# KiCad board st251_20934.kicad_pcb (continued)
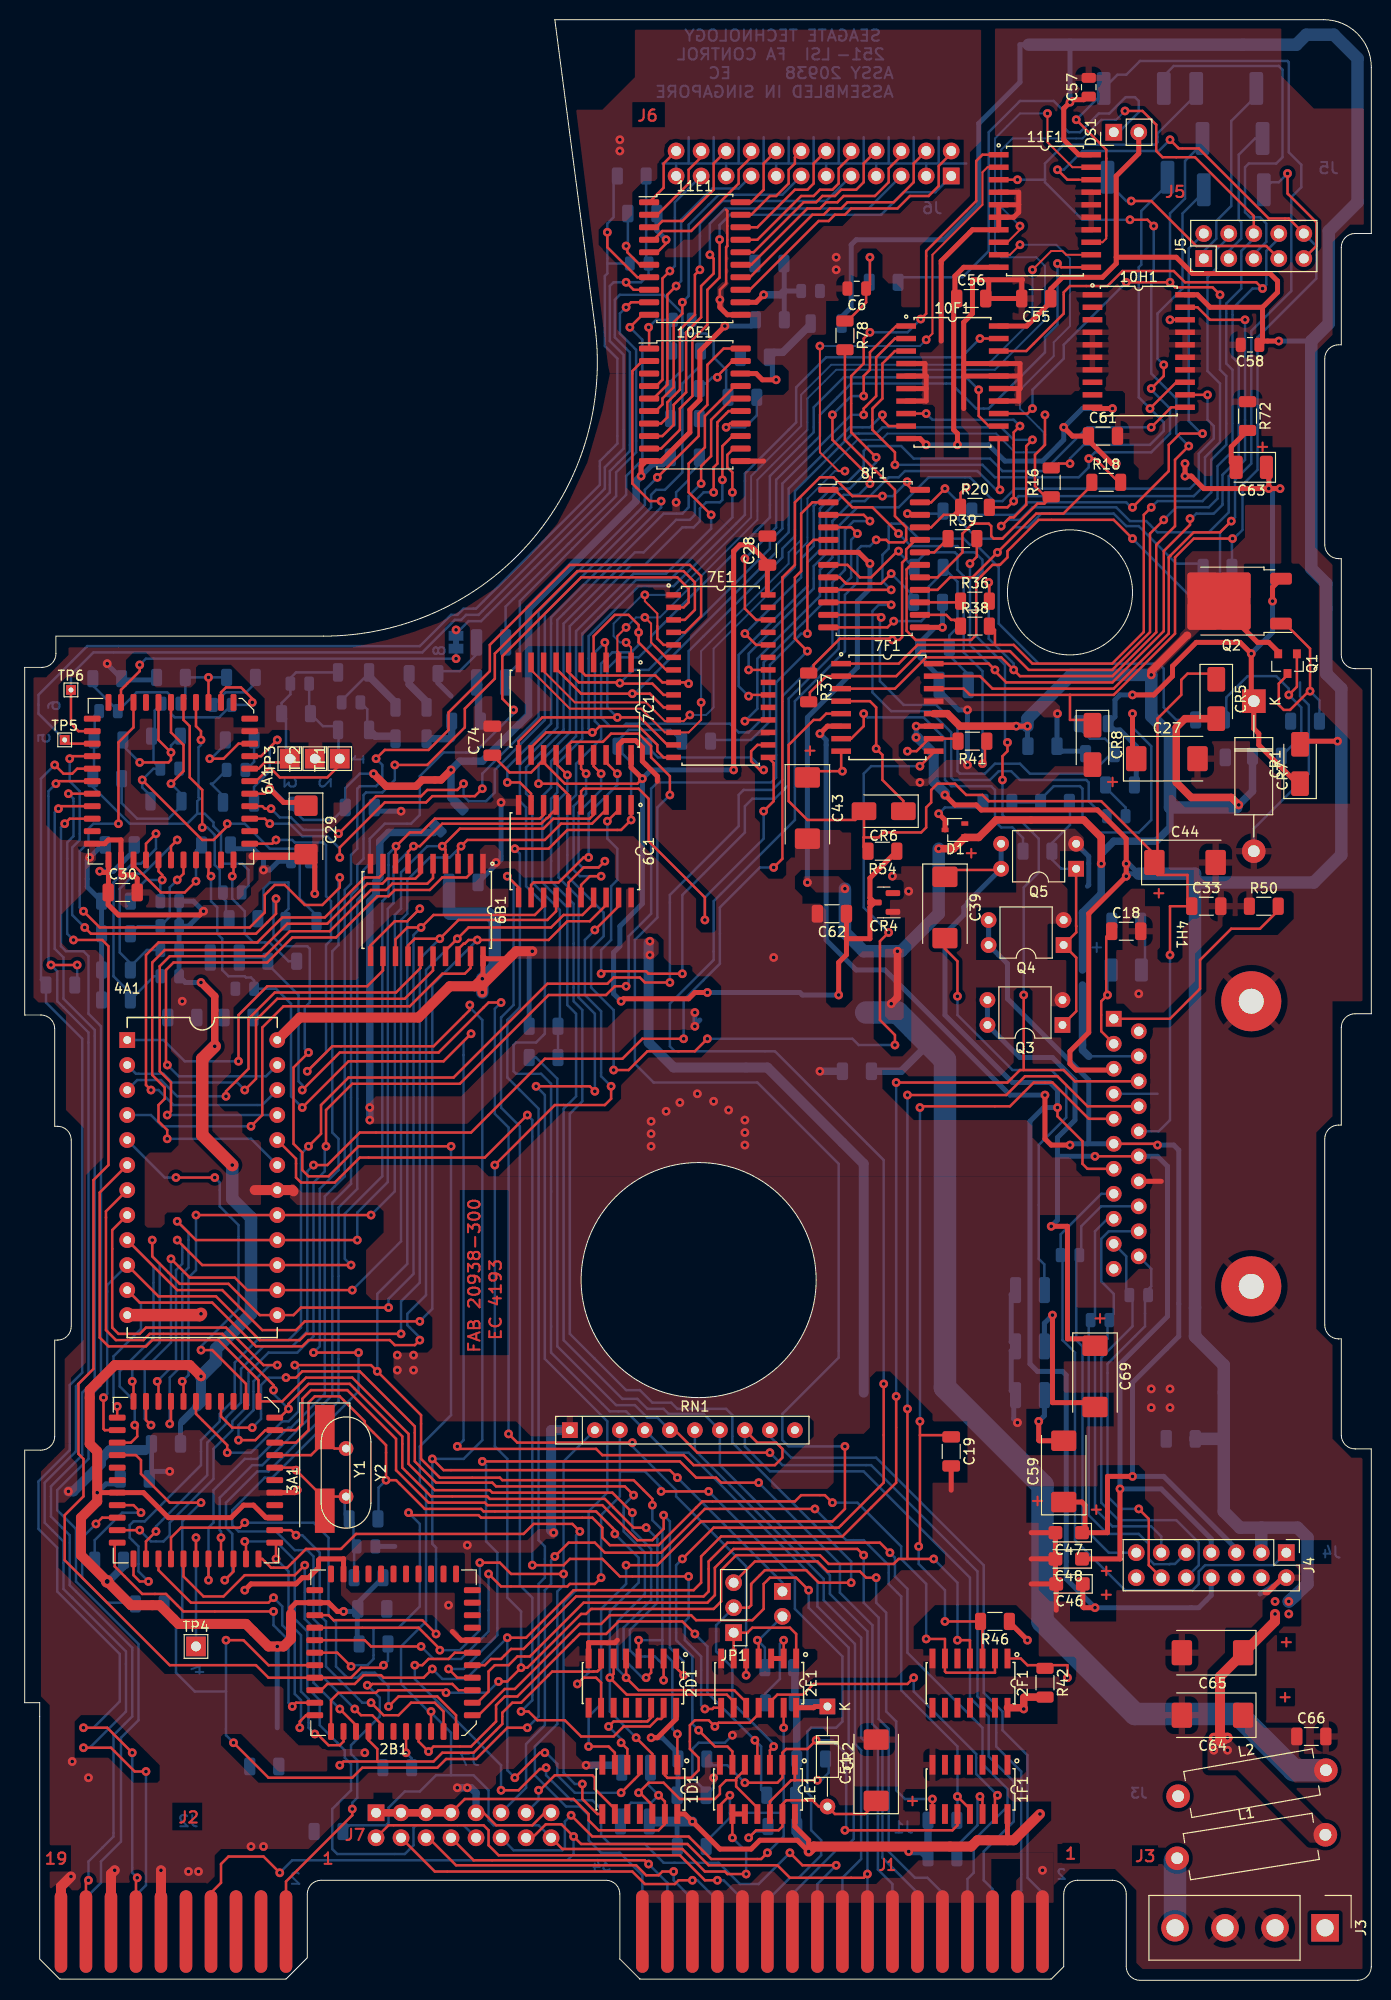
[diagram p0: board, top side]
## Routing (per net, layer and track width the routed paths; a pad name or vN(x,y) marks a point on that pad's centre or on a via; arc(x,y) is an arc through that point) (continued)
~{WRT_FAULT}: length 58.5
  Top w0.254: 1E1.4 74.42,24.13 v1(74.17,24.38) ; v1(68.07,35.18) 66.8,36.45 60.32,36.45 59.05,35.18 56.39,35.18 50.04,28.83 48.77,28.83 47.88,27.94 47.88,26.29 45.34,23.75 41.53,23.75 v1(41.02,23.24) 40,24.26 2B1.3
  Bottom w0.254: R19.1 74.8,19.37 74.8,23.75 v1(74.17,24.38) 69.34,29.21 69.34,33.91 v1(68.07,35.18)
Net-(1D1-Pad12): length 21.3
  Top w0.254: 1E1.5 73.15,21.39 72.26,20.51 72.26,20.32 ; 72.26,20.32 71.25,20.32 70.61,19.69 70.61,18.92 70.1,18.42 66.55,18.42 64.9,20.07 63.37,20.07 v1(62.36,19.05) 62.48,19.05 63.75,17.78 1D1.12 ; 72.26,20.32 72.26,19.69 74.42,17.53 1E1.11
Net-(1E1-Pad1): length 11.5
  Top w0.254: 78.23,20.32 77.85,20.32 75.69,18.16 1E1.12 ; 78.23,20.32 1E1.1 ; 78.23,20.32 v1(80.52,20.32)
  Bottom w0.254: R59.1 81.66,22.16 81.66,21.08 80.9,20.32 v1(80.52,20.32)
Net-(1E1-Pad6): length 193
  Top w0.254: v1(87.25,60.58) 87.25,50.55 82.68,45.97 69.98,45.97 v1(66.8,42.8) ; 1E1.6 71.88,23.24 71.37,23.75 70.1,23.75 v1(68.45,25.4) ; R78.2 83.31,156.46 88.39,151.38 88.39,148.72 89.53,147.57 89.53,146.3 89.28,146.05 87.76,146.05 87.5,146.3 v1(86.49,146.3)
  Bottom w0.254: v1(87.25,60.58) 87.25,83.31 76.2,94.36 66.04,94.36 65.53,94.87 65.53,99.19 69.98,103.63 69.98,109.6 78.23,117.86 78.23,129.92 83.31,135 83.31,140.72 84.58,141.99 84.58,145.29 84.96,145.67 85.85,145.67 v1(86.49,146.3) ; v1(68.45,25.4) 67.82,26.04 67.82,32.89 66.17,34.54 66.17,42.16 v1(66.8,42.8)
Net-(1F1B-C): length 98.5
  Top w0.254: v1(80.26,47.88) 69.09,47.88 64.64,43.43 58.93,43.43 57.91,44.45 55.24,44.45 v1(53.85,43.05) ; 1F1.11 96.01,17.4 v1(94.74,18.67)
  Bottom w0.254: J7.11 50.93,19.56 50.93,24 52.83,25.91 52.83,39.62 53.47,40.26 53.47,42.67 v1(53.85,43.05) ; v1(80.26,47.88) 83.44,44.7 85.22,44.7 87.76,42.16 87.76,40.26 89.03,38.99 89.03,29.46 94.74,23.75 v1(94.74,18.67) 94.74,16.32 R70.1
Net-(1F1B-D): length 9.1
  Top w0.254: v1(97.03,18.67) 97.28,18.42 1F1.12
  Bottom w0.254: v1(97.03,18.67) 96.77,18.42 96.77,15.75 94.68,13.65 R71.1
Net-(1F1B-~{Q}): length 44.1
  Top w0.254: v1(86.49,40.89) 85.47,40.89 84.84,41.53 81.53,41.53 80.52,42.55 74.17,42.55 JP1.3 ; 1F1.8 v1(92.2,18.42)
  Bottom w0.254: v1(86.49,40.89) 86.49,38.35 87.5,37.34 87.5,27.31 88.52,26.29 88.52,19.3 89.41,18.42 v1(92.2,18.42)
Net-(1F1B-~{R}): length 33.6
  Top w0.254: v1(90.3,30.73) 89.66,30.1 80.14,30.1 79.05,29.02 76.45,29.02 75.82,28.38 2E1.12 ; v1(98.81,18.8) 98.55,18.54 1F1.13
  Bottom w0.254: v1(90.3,30.73) 90.3,29.34 96.65,22.99 96.65,20.96 v1(98.81,18.8)
Net-(1F1B-~{S}): length 39.6
  Top w0.254: 1F1.10 94.74,15.75 94.23,15.24 v1(83.31,15.24) ; v1(73.15,20.07) 76.45,20.07 76.96,20.57 76.96,23.11 77.34,23.5 79.5,23.5 v1(80.39,24.38)
  Bottom w0.254: v1(80.39,24.38) 82.04,24.38 83.44,22.99 83.44,15.37 v1(83.31,15.24) ; R58.1 69.92,21.84 71.37,21.84 v1(73.15,20.07)
Net-(2B1-BIAS): length 3.9
  Top w0.254: 2B1.2 38.73,23.12 v1(38.73,23.11)
  Bottom w0.254: v1(38.73,23.11) 39.31,22.54 R45.2
Net-(2E1-Pad2): length 10.2
  Top w0.254: 2E1.2 v1(77.09,34.54)
  Top w0.508: 2E1.3 2E1.2
  Bottom w0.254: R12.1 75.25,29.14 76.71,30.61 76.71,34.16 v1(77.09,34.54)
Net-(2E1-Pad5): length 129.2
  Top w0.254: 2E1.5 v1(73.28,30.99) ; v1(28.19,90.42) 32,94.23 42.04,94.23 47.12,99.31 v1(48.39,99.31) ; v1(61.72,54.61) 50.04,54.61 v1(49.15,55.5)
  Bottom w0.254: C5.1 24.32,103.89 R8.1 24.7,103.19 27.81,100.08 27.81,91.31 28.19,90.93 v1(28.19,90.42) ; v1(48.39,99.31) 47.75,98.68 47.75,88.01 49.15,86.61 v1(49.15,55.5) ; v1(61.72,54.61) 61.72,54.23 66.17,49.78 66.17,49.15 73.28,42.04 v1(73.28,30.99)
Net-(2F1A-~{R}): length 7.9
  Top w0.254: v1(105.92,30.73) 105.92,32 104.27,32 103.95,31.69 R42.1 103.32,32 101.85,32 101.17,32.69 99.82,32.69
Net-(3A1-PB7): length 13.2
  Top w0.254: 3A1.34 v1(17.4,44.96)
  Bottom w0.254: v1(17.4,44.96) TP4.1
Net-(3A1-XTLI): length 10.9
  Top w0.254: Y2.1 31.46,54.01 30.48,54.99 Y1.1 30.48,54.74 29.08,53.34 3A1.3
Net-(3A1-XTLO): length 19.6
  Top w0.254: 3A1.2 27.3,52.07 v1(27.56,51.82) 30.48,48.9 Y1.2 30.48,48.26 31.35,49.13 Y2.2
  Bottom w0.254: Y2.2 32.51,49.01 32.51,47.31 R80.1 33.4,46.42 33.4,44.39 C31.2 33.46,43.81 R82.2
Net-(3A1-~{NMI}): length 10.6
  Top w0.254: 3A1.25 11.05,48.26 v1(11.81,47.5)
  Bottom w0.254: R44.2 7.11,44.7 9.91,47.5 v1(11.81,47.5)
Net-(4A1-~{G}VPP): length 110.1
  Top w0.254: 25.65,85.34 27.56,83.44 27.56,81.53 28.07,81.03 31.5,81.03 34.04,83.57 46.74,83.57 v1(51.05,87.88) ; v1(51.56,42.16) 54.74,42.16 55.37,42.8 58.67,42.8 60.45,41.02 v1(67.44,41.02) ; 2E1.8 69.98,27.69 69.85,27.56 v1(69.09,27.56)
  Bottom w0.254: v1(51.05,87.88) 51.56,87.38 v1(51.56,42.16) ; v1(67.44,41.02) 67.44,36.83 67.06,36.45 67.06,34.54 68.71,32.89 68.71,27.94 v1(69.09,27.56)
Net-(4H1-RC): length 15.2
  Top w0.254: 4H1.3 109.35,96.39 109.35,99.44 v1(109.98,100.08) 109.85,100.2 109.85,106 C18.1
  Bottom w0.254: v1(109.98,100.08) 109.98,102.25 C17.1
Net-(4H1-RREF): length 23.4
  Top w0.254: 127.25,109.09 127.25,108.59 125.48,106.81 122.55,106.81 119.38,103.63 119.38,100.71 116.33,97.66 4H1.1
Net-(4H1-UNK1): length 122.1
  Top w0.254: C44.1 114.74,114.36 109.35,119.76 97.92,119.76 97.28,120.4 95.63,120.4 94.49,121.54 92.71,121.54 92.07,120.9 92.07,119.63 91.57,119.13 91.57,117.09 91.06,116.59 87.25,116.59 86.74,116.08 85.22,116.08 ; C44.1 115.06,113.86 115.06,128.14 117.47,130.56 117.47,132.08 118.11,132.72 120.27,132.72 120.84,132.14 CR5.1 ; C44.1 114.74,112.59 115.06,112.27 118.11,112.27 118.11,109.52 C33.1 116.33,109.09 v1(116.33,104.14) ; R54.2 85.22,115.12 85.22,116.08 ; 85.22,116.08 85.25,116.11 CR6.2 84.36,117.86 79.5,117.86 77.6,119.76 77.6,125.48 80.14,128.02 80.77,128.02 81.41,128.65 7F1.5
  Bottom w0.254: 113.16,86.23 115.19,86.23 116.33,87.38 v1(116.33,104.14)
Net-(6A1A-VCTAP): length 84
  Top w0.254: v1(25.02,119) 24.38,119 24.13,119.25 6A1.43 ; v1(44.58,121.54) 43.94,120.9 40.89,120.9 40.26,120.27 35.69,120.27 v1(31.88,116.46)
  Bottom w0.254: v1(44.58,121.54) 44.58,120.27 45.09,119.76 46.86,119.76 47.75,120.65 47.75,122.94 52.83,128.02 52.83,138.81 63.63,149.61 63.63,150.88 64.13,151.38 65.02,151.38 66.8,153.16 66.8,162.18 68.65,164.02 R9.1 ; v1(25.02,119) 25.91,118.11 27.05,118.11 28.32,116.84 31.5,116.84 v1(31.88,116.46)
Net-(6A1A-WDATA_IN+): length 136.3
  Top w0.254: 6.86,123.06 5.33,123.06 4.83,122.56 3.94,122.56 v1(3.05,123.44) ; v1(10.92,23.11) 8.38,25.65 v1(5.97,25.65) ; v1(11.43,10.41) 11.3,10.29 J2.13
  Bottom w0.254: v1(3.05,123.44) 1.65,122.05 1.65,101.6 R4.2 2.16,99.31 5.84,95.63 5.84,61.72 4.57,60.45 4.57,53.85 1.4,50.67 1.4,45.85 3.3,43.94 3.3,39.5 9.65,33.15 9.65,28.32 6.98,25.65 v1(5.97,25.65) ; v1(10.92,23.11) 10.92,10.92 v1(11.43,10.41)
Net-(6A1A-WDATA_IN-): length 140
  Top w0.254: v1(3.17,121.54) 3.43,121.79 6A1.23 ; v1(2.67,103.12) v1(5.33,103.12) ; v1(12.32,21.21) 11.18,21.21 8.76,23.62 v1(5.97,23.62)
  Bottom w0.254: v1(5.33,103.12) 5.33,101.34 R4.1 ; v1(3.17,121.54) 2.41,120.78 2.41,103.38 v1(2.67,103.12) 3.3,102.49 3.3,99.44 6.48,96.27 6.48,61.59 5.21,60.33 5.21,53.72 2.03,50.55 2.03,46.48 3.94,44.58 3.94,39.75 10.29,33.4 10.29,27.31 6.6,23.62 v1(5.97,23.62) ; J2.14 11.3,8.64 12.32,9.65 v1(12.32,21.21)
Net-(6A1A-WRITE_CUR): length 38
  Top w0.254: 6A1.16 9.78,131.06 11.68,132.97 v1(11.68,133.6)
  Bottom w0.254: 43.82,135.24 v1(43.82,134.24) 12.32,134.24 v1(11.68,133.6)
Net-(6A1A-~{WRT_FAULT}): length 14.5
  Top w0.254: 6A1.39 21.21,112.27 v1(21.08,112.14)
  Bottom w0.254: v1(21.08,112.14) 21.08,109.86 22.35,108.59 22.35,106.3 23.24,105.41 24.89,105.41 26.8,103.51 R8.2
Net-(6A1B-+ON): length 7.3
  Top w0.254: 6A1.4 21.72,125.6 20.19,124.08 v1(18.8,124.08)
  Bottom w0.254: v1(18.8,124.08) 18.92,124.08 20.38,125.54 R25.1
Net-(6A1B--ON): length 10.8
  Top w0.254: 6A1.3 24,124.33 v1(25.65,125.98)
  Bottom w0.254: L8.1 23.29,121.21 24.89,122.81 24.89,125.22 v1(25.65,125.98)
Net-(6A1B-DI+): length 20.8
  Top w0.254: 6A1.1 23.49,121.79 24.77,123.06 25.02,123.06 25.91,122.17 30.73,122.17 32,123.44 TP1.1
  Bottom w0.254: C14.1 28.89,128.78 R24.1 30.29,127.38 31.45,127.38 L6.2 31.88,126.95 31.88,124.21 TP1.1
Net-(6A1B-DI-): length 18.5
  Top w0.254: TP3.1 26.54,123.7 24.38,123.7 23.75,123.06 22.86,123.06
  Bottom w0.254: L7.2 27.56,132.84 26.99,132.27 C14.2 26.99,130.62 26.1,129.73 R24.2 26.54,128.2 26.54,125.22 26.92,124.84 TP3.1
Net-(6A1B-DO+): length 26.8
  Top w0.254: 6A1.8 19.94,130.81 20.45,131.32 21.97,131.32 23.11,130.18 v1(23.11,129.79)
  Bottom w0.254: R26.2 6.92,131.51 9.46,128.97 C22.1 11.36,130.81 14.48,130.81 14.86,130.43 14.86,128.65 15.24,128.27 19.75,128.27 C21.1 22.86,129.54 v1(23.11,129.79)
Net-(6A1B-DO-): length 9.6
  Top w0.254: 6A1.9 v1(18.67,132.33)
  Bottom w0.254: R28.2 v1(18.67,132.33) R27.1 16.32,130.18 C24.1
Net-(6A1C-+C1): length 44.3
  Top w0.254: 6A1.10 17.4,127.38 17.91,126.87 v1(17.91,125.98)
  Bottom w0.254: 17.53,118.49 17.53,119.76 17.78,120.02 17.65,120.14 17.65,125.22 17.91,125.48 v1(17.91,125.98) ; 17.53,118.49 18.29,118.49 19.18,117.6 19.18,117.22 19.94,116.46 19.94,113.67 20.19,113.41 22.1,113.41 22.73,112.78 22.73,111.19 C23.1 ; 17.53,118.49 16.51,117.48 10.67,117.48 6.92,121.22 R87.1 7.05,122.17 R30.1 7.11,126.05 7.11,128.46 C22.2
Net-(6A1C-+C2): length 23.6
  Top w0.254: 6A1.12 14.86,126.75 16.13,125.48 16.13,122.81 v1(14.86,121.54)
  Bottom w0.254: R87.2 9.84,119.57 11.43,117.98 14.6,117.98 15.93,119.3 L10.1 15.93,120.47 v1(14.86,121.54) 15.68,122.36 C67.1
Net-(6A1C--C1): length 24.2
  Top w0.254: v1(18.03,117.09) 18.03,120.9 16.76,122.17 16.76,127.38 16.13,128.02 6A1.11
  Bottom w0.254: R29.1 20.45,108.14 20.45,109.6 20.13,109.92 C23.2 19.81,110.81 19.81,112.78 19.3,113.28 19.3,116.33 18.54,117.09 v1(18.03,117.09)
Net-(6A1C--C2): length 14.7
  Top w0.254: v1(11.68,123.7) 14.6,123.7 14.86,123.95 v1(14.86,124.71) 13.59,125.98 6A1.13
  Bottom w0.254: R31.1 14.86,125.41 v1(14.86,124.71) ; R30.2 9.97,125.41 v1(11.68,123.7)
Net-(6A1C-OA): length 12.4
  Top w0.254: 6A1.31 11.05,113.28 13.84,110.49 16.26,110.49 v1(17.4,111.63)
  Bottom w0.254: R34.1 17.4,114.75 v1(17.4,111.63)
Net-(6A1C-TMG1): length 11.1
  Top w0.254: v1(15.49,111.76) 16.13,112.4 6A1.35
  Bottom w0.254: v1(15.49,111.76) 14.73,111 14.73,108.01 C34.2 11.5,107.06 R51.1
Net-(6A1C-TMG2): length 23
  Top w0.254: 6A1.34 14.86,115.19 v1(15.49,115.82)
  Bottom w0.254: C38.1 12.42,104.65 10.73,102.97 R53.1 10.73,103.31 9.65,104.39 9.65,110.87 11.18,112.4 12.06,112.4 v1(15.49,115.82)
Net-(6A1C-TMG3): length 8.9
  Top w0.254: 6A1.33 13.59,112.65 13.97,112.27 v1(13.97,111.76)
  Bottom w0.254: R32.1 10.73,110.17 12.32,111.76 v1(13.97,111.76) 13.78,111.57 C25.2
Net-(6A1C-TMG4): length 27.3
  Top w0.254: 6A1.32 12.32,115.44 v1(13.34,116.46)
  Bottom w0.254: v1(13.34,116.46) 13.34,114.94 11.81,113.41 10.92,113.41 9.02,111.51 9.02,101.98 10.61,100.39 10.61,99.44 13.15,101.98 C26.2
Net-(6C1-Q4): length 20.4
  Top w0.254: 6C1.12 51.43,111.25 51.69,111.51 54.23,111.51 56.77,114.05 v1(57.28,114.05) ; 59.05,124.46 59.05,123.7 v1(60.2,122.56)
  Bottom w0.254: v1(57.28,114.05) 57.28,118.49 60.2,121.41 v1(60.2,122.56)
Net-(7E1-~{DIS}): length 17.5
  Top w0.254: 7E1.16 74.42,125.48 73.79,124.84 73.79,123.83 74.68,122.94 v1(75.06,122.94)
  Bottom w0.254: R40.2 64.33,124.21 73.79,124.21 v1(75.06,122.94)
Net-(7F1-CT): length 5.9
  Top w0.254: C43.1 80.13,122.81 v1(83.06,122.81) 82.93,122.94 7F1.8
Net-(7F1-DRV): length 31.2
  Top w0.254: 7F1.7 83.95,126.11 85.22,127.38 v1(85.22,128.65)
  Bottom w0.254: v1(85.22,128.65) 85.6,128.27 91.31,128.27 93.47,126.11 93.47,121.92 94.11,121.29 98.17,121.29 98.55,120.9 98.55,117.73 99.19,117.09 100.33,117.09 101.41,116.02 R66.1
Net-(7F1-VC): length 15.5
  Top w0.254: CR6.1 89.25,119.79 87.12,121.92 87.12,124.46 v1(86.49,125.1) 86.49,129.29 85.85,129.92 82.93,129.92
Net-(7F1-VREF): length 5.8
  Top w0.254: R41.2 94.55,126.11 7F1.10 91.86,126.11 90.59,124.84 v1(89.66,124.84)
Net-(8F1-+A): length 50.3
  Top w0.254: v1(112.52,146.43) 110.62,148.34 103,148.34 99.82,145.16 99.82,144.53 99.06,143.76 98.3,143.76 96.65,142.11 96.65,136.65 96.14,136.14 90.5,136.14 89.58,137.07 89.58,143.3 90.04,143.76 8F1.18
  Bottom w0.254: R14.1 119,140.72 118.24,140.72 v1(112.52,146.43)
Net-(8F1-+B): length 29.5
  Top w0.254: v1(103.63,159) 103.63,155.96 102.62,154.94 102.62,151.77 103.7,150.68 R16.1 103.57,149.99 102.87,149.99 99.31,146.43 98.42,146.43 98.17,146.69 98.17,147.7 97.92,147.96 96.27,147.96 95.25,146.94 95.25,145.03 92.71,142.49 8F1.17
Net-(8F1-+C): length 22.2
  Top w0.254: 8F1.16 92.71,141.22 93.98,142.49 96.27,142.49 v1(98.81,145.03) 102.74,148.97 105.5,148.97 108.39,151.86 R18.1
Net-(8F1-+D): length 4.2
  Top w0.254: 8F1.15 94.93,139.95 R36.1
Net-(8F1-+E): length 4.6
  Top w0.254: R38.1 94.42,138.18 94.11,138.18 93.6,138.68 8F1.14
Net-(8F1--A): length 35.8
  Top w0.254: 8F1.23 92.07,150.11 v1(93.47,151.51)
  Bottom w0.254: v1(93.47,151.51) 94.87,150.11 94.87,148.34 96.77,146.43 99.31,146.43 100.46,147.57 101.85,147.57 103.25,148.97 110.62,148.97 111.89,147.7 113.16,147.7 116.97,143.89 119.31,143.89 R15.1
Net-(8F1--B): length 5
  Top w0.254: v1(89.66,148.97) 90.81,148.97 8F1.22
  Bottom w0.254: R17.1 93.03,148.97 v1(89.66,148.97)
Net-(8F1--C): length 7.2
  Top w0.254: v1(95.63,151.64) 95.06,151.06 R20.1 94.3,148.84 93.34,148.84 92.07,147.57 8F1.21
Net-(8F1--D): length 22.3
  Top w0.254: 8F1.20 90.5,146.3 89.53,145.34 89.53,144.4 89.12,143.98 89.12,136.43 88.83,136.14 v1(88.14,136.14) 88.01,136.27 82.8,136.27 80.14,133.6 80.14,133.1 79.82,132.78 R37.1
Net-(8F1--E): length 3.4
  Top w0.254: 8F1.19 92.39,145.03 R39.1
Net-(8F1-COMP): length 50.5
  Top w0.254: 8F1.10 87.76,139.95 v1(88.01,139.7)
  Bottom w0.254: C41.1 109.6,118.24 108.08,119.76 108.08,121.67 107.82,121.92 101.09,121.92 100.2,122.81 98.93,122.81 98.04,121.92 94.36,121.92 94.11,122.17 94.11,126.75 91.95,128.91 88.01,128.91 86.11,130.81 86.11,139.06 86.74,139.7 v1(88.01,139.7)
Net-(8F1-DAC_SET): length 10.9
  Top w0.254: v1(88.01,142.88) 87,141.86 83.44,141.86 82.8,142.49 8F1.8
  Bottom w0.254: v1(88.01,142.88) 90.3,140.59 R57.2
Net-(8F1-DRV): length 58.7
  Top w0.254: 8F1.9 v1(88.01,141.22)
  Bottom w0.254: R79.2 116.97,128.02 115.7,129.29 115.7,133.22 115.19,133.73 103,133.73 98.93,137.8 98.93,143.51 96.65,145.8 96.01,145.8 95.38,146.43 90.81,146.43 89.28,147.96 88.01,147.96 87.76,147.7 87.76,145.42 87.12,144.78 87.12,142.11 v1(88.01,141.22)
Net-(8F1-FB): length 49.5
  Top w0.254: 8F1.11 86.74,138.68 v1(87,138.43)
  Bottom w0.254: v1(87,138.43) 86.87,138.3 86.87,131.95 89.28,129.54 92.58,129.54 94.74,127.38 94.74,122.81 95,122.56 97.54,122.56 98.55,123.57 101.09,123.57 102.11,122.56 108.33,122.56 110.36,124.59 R60.2 110.68,125.16 109.73,126.11 108.2,126.11 107.12,127.19 R52.2
Net-(8F1-NC): length 29
  Top w0.254: v1(79.5,136.78) 79.5,145.67 80.14,146.3 8F1.5
  Bottom w0.254: v1(79.5,136.78) 78.87,136.78 75.69,133.6 75.69,127.89 73.79,125.98 69.79,125.98 JP4.2
Net-(8F1-RING_SET): length 29.7
  Top w0.254: 8F1.12 87.63,137.41 v1(88.26,138.05)
  Bottom w0.254: 95.84,131.57 95.84,132.64 93.92,134.55 R55.1 93.92,136.59 94.74,137.41 94.74,142.05 R56.1 93.28,143 91.82,141.54 91.82,138.81 91.06,138.05 v1(88.26,138.05)
Net-(8F1-VREF): length 40.6
  Top w0.254: R41.1 97.54,125.66 97.54,123.83 v1(97.28,123.57) ; 8F1.7 83.57,143.76 84.84,142.49 85.98,142.49 88.65,145.16 v1(88.76,145.16)
  Bottom w0.254: v1(97.28,123.57) 97.28,132.97 95.38,134.87 95.38,142.62 94.74,143.26 94.74,144.78 94.49,145.03 91.57,145.03 90.49,143.95 89.85,143.95 88.76,145.05 v1(88.76,145.16)
Net-(10E1-5V): length 12.1
  Top w0.508: 10E1.18 74.29,163.19 74.93,162.56 v1(76.33,162.56)
  Bottom w0.508: C1.1 75.95,164.54 75.95,162.94 v1(76.33,162.56)
  Bottom w0.762: L11.1 79.83,168.19 77,165.35 76.15,165.35 C1.1
Net-(10E1-IWR1): length 5.4
  Top w0.254: 10E1.19 71.88,164.47 70.36,162.94 v1(70.36,162.81)
  Bottom w0.254: R2.1 69.03,162.18 69.22,162.18 69.85,162.81 v1(70.36,162.81)
Net-(10E1-IWR2): length 7.1
  Top w0.254: 10E1.14 71.63,158.12 v1(71.25,157.73)
  Bottom w0.254: R1.1 74.36,158.94 73.15,157.73 v1(71.25,157.73)
Net-(10E1-VCTAP): length 8.4
  Top w0.254: 10E1.1 63.42,167.85 v1(63.37,167.89)
  Bottom w0.254: R9.2 65.53,165.67 65.53,168.34 C3.2 64.13,168.66 v1(63.37,167.89)
Net-(10E1-VHS): length 85.8
  Top w0.254: 22.86,117.98 24.38,117.98 v1(24.89,117.48) ; 10E1.20 70.99,165.74 69.34,164.08 69.34,160.02 68.45,159.13 68.45,156.85 v1(64.26,152.65) ; v1(46.48,121.03) 45.72,120.27 41.4,120.27 40.77,119.63 36.58,119.63 32,115.06 v1(32,114.05)
  Bottom w0.254: v1(32,114.05) 32,114.94 30.73,116.21 28.19,116.21 26.92,117.48 v1(24.89,117.48) ; v1(64.26,152.65) 62.99,151.38 62.99,149.86 52.2,139.06 52.2,128.27 46.48,122.56 v1(46.48,121.03)
Net-(10E1-WRT_FAULT_IN): length 179.1
  Top w0.254: 1E1.3 75.69,23.37 v1(76.07,23.75) ; JP1.2 73.53,37.85 73.79,38.1 73.79,40.26 75.18,41.66 79.38,41.66 80.65,40.39 v1(83.95,40.39) ; 10E1.12 72.01,155.58 71.37,154.93 71.37,153.68 71.88,153.16 v1(71.88,151.13)
  Bottom w0.254: v1(71.88,151.13) 71.88,148.59 65.53,142.24 62.1,142.24 56.64,136.78 56.64,126.11 54.1,123.57 54.1,120.65 53.47,120.02 53.47,111.63 55.75,109.35 55.75,99.44 56.64,98.55 56.64,89.28 55.37,88.01 55.37,65.66 61.09,59.94 62.48,59.94 63.75,58.67 65.66,58.67 66.29,58.04 71.25,58.04 71.88,57.4 71.88,54.61 83.95,42.55 v1(83.95,40.39) ; JP1.2 70.23,36.07 70.23,33.4 71.88,31.75 71.88,28.19 76.07,24 v1(76.07,23.75)
Net-(11E1-12V): length 12.4
  Top w0.508: 11E1.12 74.29,170.43 v1(75.06,171.2)
  Bottom w0.508: 77.15,171.58 77.15,171.58 R1B1.2 ; 77.15,171.58 C8.1 ; 77.15,171.58 77.15,174.33 C9.1
  Bottom w0.762: 77.15,171.58 76.77,171.2 v1(75.06,171.2)
Net-(11E1-DI+): length 108.6
  Top w0.254: 11E1.8 61.85,171.7 v1(61.09,172.47) ; 6A1.19 5.46,126.87 4.7,127.64 TP6.1
  Bottom w0.254: R21.1 63.12,174.62 C10.1 63.37,173.23 63.37,173.23 62.61,172.47 v1(61.09,172.47) 59.82,172.47 59.44,172.09 59.44,166.5 60.83,165.1 60.83,155.58 58.93,153.67 58.93,151.51 46.1,138.68 44.83,138.68 44.32,138.18 43.69,138.18 40.39,134.87 6.98,134.87 4.7,132.59 TP6.1
Net-(11E1-DI-): length 117
  Top w0.254: 11E1.7 62.23,172.97 59.18,176.02 v1(59.18,177.55) ; TP5.1 4.45,125.6 6A1.20
  Bottom w0.254: TP5.1 1.4,128.65 1.4,130.56 6.35,135.51 40.13,135.51 43.31,138.68 43.94,138.68 44.58,139.32 45.85,139.32 58.42,151.89 58.42,154.31 60.2,156.08 60.2,164.72 58.93,165.99 58.93,173.1 59.18,173.36 59.18,174.37 ; 59.18,174.37 v1(59.18,177.55) 59.18,178.44 59.82,179.07 59.82,182.88 R21.2 ; 59.18,174.37 C10.2
Net-(11E1-DO+): length 44.8
  Top w0.254: 11E1.10 62.74,169.16 v1(61.47,167.89)
  Bottom w0.254: v1(61.47,167.89) 62.74,166.62 62.74,154.43 61.09,152.78 61.09,150.88 50.29,140.08 50.29,133.86 48.85,132.41 C11.1
Net-(11E1-DO-): length 43
  Top w0.254: v1(61.09,169.93) 61.6,170.43 11E1.9
  Bottom w0.254: v1(61.09,169.93) 60.45,169.29 60.45,167.26 62.1,165.61 62.1,155.19 60.07,153.16 60.07,150.75 48.85,139.52 C12.1
Net-(11E1-GAIN+): length 6.8
  Top w0.254: 11E1.6 62.48,174.24 61.21,175.51 61.21,176.02 v1(61.09,176.15)
  Bottom w0.254: v1(61.09,176.15) 61.26,176.33 C7.1
Net-(11E1-GAIN-): length 5.5
  Top w0.254: v1(65.15,176.78) 65.15,176.4 64.26,175.51 11E1.5
  Bottom w0.508: C7.2 64.21,177.72 v1(65.15,176.78)
Net-(11E1-HD1+): length 25.3
  Top w0.254: J6.4 90.3,184.53 90.3,182.63 88.26,180.59 83.57,180.59 82.93,179.96 81.79,179.96 81.15,179.32 80.01,179.32 73.66,172.97 11E1.14
Net-(11E1-HD1-): length 28.6
  Top w0.254: 11E1.13 73.66,171.7 80.65,178.69 81.66,178.69 82.3,179.32 83.31,179.32 83.95,179.96 88.65,179.96 89.92,181.23 91.82,181.23 92.84,182.25 92.84,184.28 94.11,185.55 J6.2
Net-(11E1-HD2+): length 19.1
  Top w0.254: J6.8 85.22,184.53 85.22,182.63 84.46,181.86 82.93,181.86 82.3,181.23 81.03,181.23 80.39,180.59 79.12,180.59 74.04,175.51 11E1.16
Net-(11E1-HD2-): length 22.2
  Top w0.254: J6.6 89.03,185.29 87.76,184.02 87.76,182.63 86.36,181.23 83.19,181.23 82.55,180.59 81.41,180.59 80.77,179.96 79.5,179.96 73.79,174.24 11E1.15
Net-(11E1-HD3+): length 13.1
  Top w0.254: 11E1.18 74.42,178.05 78.23,181.86 79.5,181.86 80.14,182.5 80.14,184.53 J6.12
Net-(11E1-HD3-): length 16.2
  Top w0.254: 11E1.17 74.42,176.78 78.87,181.23 80.14,181.23 80.77,181.86 82.04,181.86 82.68,182.5 82.68,184.02 83.95,185.29 J6.10
Net-(11E1-HD4+): length 7.3
  Top w0.254: J6.16 75.06,184.53 75.06,181.86 73.79,180.59 11E1.20
Net-(11E1-HD4-): length 10
  Top w0.254: J6.14 78.23,185.17 78.23,184.53 77.6,183.9 77.6,182.5 76.33,181.23 75.69,181.23 73.79,179.32 11E1.19
Net-(11E1-HD6+): length 6.3
  Top w0.254: 11E1.1 64.9,182.07 64.9,184.53 J6.24
Net-(11E1-HD6-): length 9.2
  Top w0.254: 11E1.2 64.26,179.32 67.44,182.5 67.44,183.9 68.71,185.17 J6.22
Net-(C6-Pad1): length 10.2
  Top w0.254: v1(85.85,175.01) 85.85,172.21 85.47,171.83 C6.1 85.47,170.43 83.57,168.53 R78.1
  Bottom w0.254: R11.2 85.85,172.53 v1(85.85,175.01)
Net-(C11-Pad2): length 4.1
  Bottom w0.762: C11.2 46.1,131.62 46.1,128.08 R22.2
Net-(C12-Pad2): length 8.8
  Bottom w0.254: C12.2 45.9,134.67 44.2,132.97 42.23,132.97 R23.2
  Bottom w0.508: R23.2 41.98,131.76 43.31,130.43
Net-(C13-Pad1): length 6.2
  Bottom w0.254: C13.1 34.8,129.09 34.8,127.18 L6.1
  Bottom w0.762: L6.1 35.61,126.37 37.41,126.37 L4.2
Net-(C13-Pad2): length 8.9
  Bottom w0.254: L7.1 34.98,132.77 32.2,129.99 C13.2
  Bottom w0.762: L5.2 37.67,129.76 34.98,132.45 L7.1
Net-(C17-Pad2): length 5.3
  Bottom w0.254: C17.2 113.79,102.98 113.79,107.13 R49.2
Net-(C20-Pad1): length 3.5
  Bottom w0.254: C20.1 22.48,122.94 23.31,123.76 R25.2
Net-(C20-Pad2): length 4.6
  Bottom w0.254: L8.2 20.14,120.32 18.92,121.54 19.12,121.54 C20.2
Net-(C21-Pad2): length 5.8
  Bottom w0.254: 19.12,129.54 20.39,130.81 22.48,130.81 23.43,131.76 R28.1
Net-(C24-Pad2): length 40.6
  Top w0.254: v1(20.57,117.48) 20.57,117.22 19.18,115.82 18.03,115.82 v1(11.94,121.92)
  Bottom w0.254: L10.2 12.78,120.32 11.94,121.16 v1(11.94,121.92) 13.08,123.06 C67.2 13.08,123.76 13.08,126.17 R31.2 13.21,126.68 13.21,128.97 C24.2 ; v1(20.57,117.48) 22.35,117.48 24.89,114.94 27.69,114.94 27.94,114.68 27.94,109.86 29.64,108.15 29.64,107.57
Net-(C27-Pad1): length 35.3
  Top w0.508: C27.1 112.52,124.46 v1(112.52,128.65)
  Bottom w0.254: R69.1 102.87,119.63 104.52,121.29 107.19,121.29 107.44,121.03 107.44,118.11 108.97,116.59 113.16,116.59 114.43,117.86 114.43,125.35 112.52,127.25 v1(112.52,128.65)
Net-(C39-Pad2): length 44.6
  Top w0.254: v1(94.74,99.95) 94.74,103.51 93.47,104.78 C39.2
  Bottom w0.254: R43.2 103.57,72.71 103,73.28 103,84.84 105.79,87.63 105.79,90.93 104.27,92.46 100.33,92.46 94.74,98.04 v1(94.74,99.95)
Net-(C41-Pad2): length 3.9
  Bottom w0.254: C41.2 111.82,119.13 109.66,121.29
Net-(C59-Pad2): length 7.4
  Top w0.508: v1(103,56.77) 103,54.86 103.06,54.8 C59.2
  Bottom w0.508: v1(103,56.77) 103.57,57.34 R47.2
Net-(C63-Pad2): length 4.6
  Top w0.508: C63.2 122.55,154.16 122.55,155.76 R72.2
Net-(C69-Pad2): length 17.2
  Top w0.508: v1(104.39,67.56) 104.39,58.67 108.71,58.67 C69.2
  Bottom w0.508: R48.2 103.57,66.74 v1(104.39,67.56)
Net-(CR2-A): length 19.5
  Top w0.254: v1(73.53,14.48) 74.29,15.24 76.58,15.24 76.96,15.62 76.96,17.89 77.36,18.29 80.01,18.29 80.65,17.65 CR2.2 82.3,16.89 85.34,16.89 86.49,18.03 C51.1
  Bottom w0.254: R64.1 75.44,15.62 74.93,15.11 74.17,15.11 v1(73.53,14.48)
Net-(D1-K): length 6.9
  Top w0.508: D1.3 93.49,117.84 v1(92.84,118.49)
  Bottom w0.254: R69.2 96.84,119.13 93.47,119.13 v1(92.84,118.49)
Net-(DS1-K): length 47.7
  Bottom w0.254: DS1.1 111.12,187.71 113.16,189.74 113.16,190.88 112.78,191.26 111.82,191.26 110.17,189.61 109.09,189.61 107.19,187.71 106.04,187.71 105.54,188.21 105.54,189.87 104.52,190.88 101.09,190.88 97.92,187.71 97.92,175.64 95.25,172.97 89.03,172.97 88.71,172.66 R11.1
Net-(J3-Pin_4): length 7.2
  Bottom w2.286: 116.84,5.33 116.84,12.18 L1.1
Net-(J5-Pin_1): length 19.5
  Bottom w0.254: R68.2 125.09,191.39 122.55,188.85 122.55,180.21 121.03,178.69 121.03,176.89 119.76,175.62 J5.1
Net-(J5-Pin_3): length 14.3
  Bottom w0.254: R68B1.2 124.97,187.07 123.32,185.42 123.32,178.82 123.57,178.56 123.57,176.91 122.3,175.64 J5.3
Net-(J5-Pin_5): length 38.3
  Bottom w0.254: R67.2 115.7,193.42 116.71,194.44 127.38,194.44 127.76,194.06 127.76,185.17 127.13,184.53 124.33,184.53 123.95,184.15 123.95,179.58 124.46,179.07 125.48,179.07 126.11,178.44 126.11,176.57 124.84,175.3 J5.5
Net-(J5-Pin_7): length 21.1
  Top w0.254: J5.7 126.11,176.15 119,176.15 114.43,180.72 v1(112.39,180.72)
  Bottom w0.254: R81.2 109.98,182.63 111.89,180.72 v1(112.39,180.72)
Net-(J5-Pin_9): length 13.5
  Top w0.254: J5.9 131.19,176.15 131.19,178.56 128.27,181.48 v1(128.27,183.52)
  Bottom w0.254: v1(128.27,183.52) 127.38,182.63 126.62,182.63 R67B1.2
Net-(J6-Pin_18): length 15.3
  Top w0.254: J6.18 73.79,185.17 72.52,183.9 72.52,182.5 67.69,177.67 64.77,177.67 63.88,176.78 11E1.4
Net-(J6-Pin_20): length 12.6
  Top w0.254: J6.20 69.98,184.53 69.98,181.86 66.8,178.69 64.77,178.69 64.13,178.05 11E1.3
Net-(J7-Pin_1): length 43.8
  Top w0.254: J7.7 44.7,18.42 55.75,18.42 57.28,16.89 57.28,16.26 58.29,15.24 64.39,15.24 65.02,15.88 1D1.13 65.02,18.16 v1(64.39,18.8)
  Top w0.762: J7.1 J7.7
  Bottom w0.254: R7.1 60.51,16.95 61.6,18.03 63.63,18.03 v1(64.39,18.8) 63.37,19.81 63.37,21.4 R6.2
Net-(JP2-B): length 8.6
  Top w0.254: 2E1.4 74.55,34.42 v1(74.42,34.54)
  Bottom w0.254: 76.96,36.96 74.55,34.54 v1(74.42,34.54) 75.18,33.79 R5.1
Net-(L4-Pad1): length 4.3
  Bottom w0.762: R22.1 43.37,126.17 43.31,126.11 L4.1
Net-(L5-Pad1): length 4.2
  Bottom w0.762: R23.1 39.05,131.64 40.82,129.87 L5.1
Net-(L9-Pad1): length 10.2
  Bottom w0.254: R29.2 24.26,108.39 24.26,110.87 24.89,111.51 26.8,111.51 26.8,108.84 26.49,108.53 L9.1
Net-(Q1-B): length 22.9
  Top w0.254: v1(128.4,130.56) 129.22,131.38 129.22,134.73
  Bottom w0.254: R61.2 129.67,126.37 129.67,129.29 v1(128.4,130.56) 128.4,131.19 127.13,132.46 124.21,132.46 122.05,130.3 122.05,128.52 121.86,128.34 R79.1
Net-(Q1-C): length 19.5
  Top w0.254: Q2.1 128.01,137.8 130.56,135.25 v1(130.56,130.94) 130.43,130.94 128.52,129.03 127.89,129.03 127.38,129.54 127.38,131.7 128.27,132.59 Q1.3
  Bottom w0.254: R62.1 131.51,129.98 v1(130.56,130.94)
Net-(Q3-G): length 26.9
  Top w0.254: Q3.1 106.81,98.43 106.81,103.87 Q4.1 106.81,106.43 106.81,107.06 106.8,107.07 Q5.1
  Bottom w0.254: Q5.1 105.29,112.9 104.33,113.85 R66.2 104.33,115.51 106.17,117.35 106.17,119.63
Net-(TP8-A): length 71.9
  Bottom w0.254: R3.1 R2.2 65.59,162.37 66.8,163.58 66.8,167.26 ; 66.8,167.26 69.22,167.26 69.98,166.5 69.98,164.85 71.25,163.58 71.25,160.97 R1.2 ; 66.8,167.26 66.8,169.29 64.9,171.2 60.45,171.2 59.94,170.69 59.94,166.88 61.47,165.35 61.47,155.32 59.44,153.29 59.44,151.13 46.35,138.05 45.09,138.05 44.2,137.16 v1(43.82,137.16) 43.82,136.54

## Copper pours and planes (outline as drawn; the poured copper is in the pictures)
+5V on Top: 17.65,107.95 22.48,107.95 23.75,109.22 23.75,110.49 25.02,111.76 25.02,113.03 24.77,113.28 24,113.28 23.75,113.03 23.75,111.76 22.99,111 22.99,110.24 21.97,109.22 18.16,109.22 17.65,108.71
+5V on Top: 126.49,38.99 126.49,36.45 128.91,36.45 128.91,38.99
+5V on Top: 49.78,103.76 63.88,103.76 64.39,104.27 64.39,105.41 64.01,105.79 61.85,105.79 61.85,110.87 61.09,110.87 61.09,105.66 60.45,105.03 49.78,105.03
+5V on Top: 120.14,21.34 123.19,21.34 130.56,13.97 132.08,13.97 132.08,15.75 124.08,23.75 123.19,23.75 122.05,24.89 120.65,24.89 120.14,24.38
+5V on Bottom: 22.73,98.81 25.02,98.81 25.91,97.92 25.91,94.74 25.78,94.62 17.02,94.62 14.22,97.41 14.22,98.55 16.51,96.27 22.73,96.27
+5V on Bottom: 25.27,14.35 25.27,25.91 26.03,25.91 29.72,22.23 29.72,14.35
+5V on Bottom: 78.23,55.63 87.63,55.63 98.55,44.7 98.55,35.94 100.84,35.94 100.84,45.72 86.23,60.33 84.58,60.33 84.58,59.06 82.04,56.52 78.23,56.52
+5V on Bottom: 126.49,36.58 129.16,36.58 129.16,39.12 126.49,39.12
+5V on Bottom: 122.68,24.77 122.68,22.61 107.19,22.61 104.9,20.32 104.9,16.89 104.27,16.26 103,16.26 102.36,16.89 102.36,25.15 100.58,26.92 100.58,30.1 98.55,32.13 98.55,35.94 100.84,35.94 102.11,34.67 102.11,33.02 110.36,24.77
+12V on Top: 87.5,104.78 89.28,104.78 89.28,97.79 89.03,97.54 87.76,97.54 87.38,97.92 87.38,104.65
+12V on Top: 123.95,26.92 123.95,25.15 129.03,20.07 132.21,20.07 132.21,22.48 129.67,22.48 129.41,22.73 129.41,25.65 125.86,25.65 124.59,26.92
+12V on Top: 35.69,89.79 44.32,89.79 51.31,96.77 59.18,96.77 61.09,98.68 68.07,98.68 68.07,96.65 67.94,96.52 62.61,96.52 60.32,94.23 52.2,94.23 44.96,87 34.93,87 34.93,89.03
+12V on Top: 123.95,149.86 127.63,149.86 127.63,143.89 123.95,143.89 123.82,143.76 123.82,137.29 119.51,137.29 114.81,132.59 114.81,132.46 114.68,132.33 114.05,132.33 114.05,133.48 117.86,137.29 117.86,144.4 118.62,145.16 122.55,145.16 123.95,146.56
+12V on Top: 83.69,110.49 83.69,111.12 82.68,112.14 79.12,112.14 79.12,111.76 80.39,110.49
+12V on Bottom: 67.82,98.81 68.45,99.44 78.23,99.44 78.74,98.93 83.95,98.93 84.46,99.44 85.72,99.44 85.72,97.16 84.46,97.16 83.82,96.52 67.82,96.52
GND on Top: 18.54,9.78 19.3,10.54 19.3,12.7 19.94,13.34 28.83,13.34 32,16.51 32,18.16 32.26,18.42 35.43,18.42 35.43,19.05 37.34,19.05 37.34,18.42 43.69,18.42 44.7,19.43 47.37,19.43 47.88,19.94 47.88,20.7 48.64,21.46 49.66,21.46 52.32,24.13 53.47,24.13 53.85,23.75 53.85,21.84 54.23,21.46 58.8,21.46 58.8,22.23 56.64,22.23 56.01,22.86 56.01,24.13 54.36,25.78 52.32,25.78 51.31,24.77 49.15,24.77 46.35,21.97 43.31,21.97 42.42,21.08 34.93,21.08 33.91,20.07 23.75,20.07 19.94,23.88 19.94,24.77 20.19,25.02 21.97,25.02 25.78,21.21 30.73,21.21 30.73,22.73 34.8,22.73 34.8,23.5 30.23,23.5 29.84,23.88 27.81,23.88 26.29,25.4 26.29,29.59 26.03,29.84 24.38,29.84 23.11,31.12 14.22,31.12 3.43,41.91 3.43,48.51 4.06,48.51 5.33,49.78 5.33,52.45 4.7,53.09 4.7,54.48 4.06,54.48 4.06,54.1 1.65,51.69 1.65,28.83 2.54,27.94 2.54,9.14 5.59,9.14 5.71,9.27 5.71,9.91 18.41,9.91
GND on Top: 12.45,76.45 13.84,76.45 14.22,76.84 14.22,77.72 14.48,77.98 15.88,77.98 16.64,78.74 24,78.74 24,85.09 23.75,85.34 22.86,85.34 22.1,86.11 22.1,87.76 21.59,88.27 20.32,88.27 19.56,89.03 19.56,90.81 20.95,92.2 20.95,93.98 21.21,94.23 21.21,98.81 24,101.6 33.66,101.6 33.91,101.85 33.91,104.78 37.34,108.2 38.35,108.2 38.99,108.84 38.99,109.47 39.24,109.73 41.02,109.73 41.78,108.97 49.15,108.97 49.15,110.87 47.24,110.87 46.86,111.25 46.86,113.92 46.23,113.92 46.23,112.01 45.72,111.51 42.8,111.51 41.4,110.11 38.23,110.11 37.59,109.47 36.07,109.47 32,105.41 27.56,105.41 25.02,102.87 16,102.87 14.86,101.73 14.86,94.36 15.62,93.6 15.62,84.84 14.86,84.07 12.7,84.07 12.19,83.57 12.19,76.71
GND on Top: 9.4,115.57 11.43,115.57 12.32,116.46 12.32,117.35 14.6,117.35 14.6,118.36 12.45,120.52 11.81,120.52 10.8,121.54 10.8,124.97 12.95,124.97 12.95,128.14 11.81,128.14 11.68,128.02 11.68,127.13 10.16,125.6 10.16,118.36 10.67,117.86 10.67,116.71 10.03,116.08 9.4,116.08
GND on Top: 107.95,122.56 105.16,122.56 103,120.4 98.17,120.4 97.66,120.9 96.01,120.9 94.74,122.17 92.58,122.17 91.69,121.29 89.92,121.29 88.77,122.43 88.77,123.44 88.26,123.95 88.14,123.95 88.14,125.1 87.12,126.11 87.12,130.05 87.63,130.56 88.77,130.56 90.68,132.46 91.19,132.46 91.19,130.3 95.12,130.3 95.5,129.92 104.65,129.92 105.16,129.41 105.16,128.27 103.5,128.27 102.87,128.91 96.27,128.91 96.01,128.65 95.63,128.65 94.74,129.54 91.19,129.54 91.19,128.65 89.92,128.65 89.28,128.02 89.28,125.98 88.77,125.48 88.77,124.33 89.66,123.44 89.92,123.44 89.92,122.56 90.42,122.05 91.69,122.05 93.6,123.95 95.63,123.95 96.9,122.68 97.28,122.68 98.93,121.03 99.69,121.03 100.71,122.05 103.38,122.05 104.65,123.32 107.95,123.32
GND on Top: 70.87,22.99 70.87,20.57 70.23,19.94 69.85,19.94 69.72,19.81 69.72,19.43 69.34,19.05 67.18,19.05 66.93,19.3 66.93,19.69 67.31,20.07 68.2,20.07 69.09,20.96 69.09,22.61 69.47,22.99
GND on Top: 4.7,54.48 4.06,54.48 4.06,63.12 5.97,65.02 5.97,86.61 4.19,88.39 4.19,98.04 2.92,99.31 1.4,99.31 0.89,99.82 0.89,132.33 2.16,132.33 4.45,134.62 4.45,135.38 20.95,135.38 20.95,133.6 17.65,133.6 17.4,133.35 17.4,131.83 16.89,131.32 13.34,131.32 13.08,131.57 13.08,134.11 12.32,134.87 11.05,134.87 10.29,134.11 10.29,132.59 9.27,131.57 5.97,131.57 5.21,132.33 4.19,132.33 3.43,131.57 3.43,127.76 2.16,126.49 2.16,117.35 3.68,115.82 7.24,115.82 7.24,113.79 6.22,112.78 6.22,110.74 3.68,108.2 3.68,105.41 4.45,104.65 7.24,104.65 8,103.89 8,83.57 6.22,81.79 6.22,62.74 4.7,61.21
GND on Top: 93.34,166.62 93.34,154.69 95.88,154.69 95.88,157.1 95.12,157.86 95.12,159.77 95.63,159.77 95.63,159.39 97.16,157.86 97.16,152.65 90.93,152.65 90.93,154.69 92.46,154.69 92.46,159.77 92.2,160.02 90.55,160.02 90.55,165.35 92.07,165.35 92.84,166.12 92.84,166.62
GND on Top: outline of 110 points within 56.01,146.56 97.16,198.12
GND on Top: 33.53,113.28 35.56,113.28 35.69,113.41 35.69,115.19 37.59,117.09 40.13,117.09 42.04,119 47.75,119 48.01,119.25 50.16,119.25 50.16,120.02 48.77,120.02 48.13,120.65 48.13,122.94 47.88,123.19 45.97,123.19 45.97,125.35 49.4,125.35 49.4,127.13 50.55,127.13 52.32,128.91 53.47,128.91 53.47,130.18 51.31,132.33 50.55,132.33 50.55,134.87 51.18,135.51 56.64,135.51 56.64,136.53 59.44,139.32 61.47,139.32 61.85,139.7 61.85,141.22 62.1,141.48 63.75,141.48 64.01,141.22 64.9,141.22 65.02,141.1 65.02,140.34 66.04,140.34 66.04,140.97 65.53,140.97 65.53,141.86 56.64,141.86 49.78,135 49.78,132.46 49.15,132.46 49.15,131.32 50.93,129.54 50.93,128.65 50.16,127.89 47.5,127.89 47.5,130.43 46.48,130.43 45.59,129.54 45.59,127.25 43.69,125.35 43.69,124.08 45.97,121.79 47.24,121.79 47.5,121.54 47.5,120.14 47.62,120.02 47.62,119.89 47.37,119.63 41.66,119.63 41.02,119 36.96,119 33.27,115.32 33.27,113.54
GND on Top: 9.52,113.28 10.03,113.28 10.03,112.78 10.8,112.78 12.83,110.74 13.08,110.74 13.84,109.98 17.4,109.98 18.41,111 21.46,111 22.48,112.01 22.48,114.55 24,114.55 24,113.79 23.75,113.79 23.24,113.28 23.24,111.76 22.23,110.74 22.23,110.24 21.72,109.73 17.91,109.73 17.14,108.97 10.03,108.97 9.52,109.47
GND on Top: outline of 233 points within 19.3,81.66 107.57,163.19
GND on Top: 104.52,7.87 100.71,7.87 100.71,10.16 101.09,10.54 101.09,12.32 98.17,12.32 98.17,7.87 62.74,7.87 62.74,9.14 71.25,9.14 71.88,9.78 73.66,9.78 74.93,11.05 76.07,11.05 77.34,9.78 86.49,9.78 87.12,10.41 89.03,10.41 90.81,12.19 96.39,12.19 97.16,12.95 104.52,12.95
GND on Top: 23.75,53.98 23.75,49.78 25.4,49.78 25.4,49.28 25.27,49.15 21.84,49.15 20.95,48.26 19.56,48.26 19.3,48.51 19.3,49.28 19.05,49.53 14.6,49.53 12.7,51.44 12.7,55.25 13.08,55.63 16,55.63 16.26,55.88 17.78,55.88 19.3,54.36 19.3,52.96 19.94,52.32 20.95,52.32 22.61,53.98
GND on Top: outline of 314 points within 26.16,1.14 136.02,198.25
GND on Top: 32.13,39.12 32.13,43.05 32.64,43.05 34.29,44.7 51.05,44.7 52.2,45.85 53.85,45.85 53.85,44.83 52.96,44.83 51.56,43.43 45.34,43.43 45.34,41.91 47.88,39.37 53.59,39.37 53.59,38.48 50.93,35.81 48.39,35.81 47.88,35.31 47.88,34.8 47.34,34.25 44.22,34.26 41.4,37.08 34.16,37.08
GND on Bottom: 114.3,1.4 135.89,1.4 135.89,28.7 134.24,30.35 134.24,34.16 135.64,35.56 135.76,35.56 135.76,53.09 135.64,53.21 134.62,53.21 132.97,54.86 132.97,64.52 131.06,66.42 131.06,85.85 132.84,87.63 132.84,99.7 135.64,99.7 135.64,109.98 135.38,110.24 120.78,110.24 120.14,109.6 120.14,65.79 123.06,62.87 123.06,48.26 124.08,47.24 129.79,47.24 131.57,45.47 131.57,39.75 129.67,37.85 129.67,35.94 125.98,35.94 125.86,36.07 125.86,39.75 122.68,39.75 119.76,36.83 107.06,36.83 106.81,36.58 106.81,35.18 113.03,28.96 124.08,28.96 129.79,23.24 133.48,23.24 134.11,22.61 134.11,20.19 133.35,19.43 128.14,19.43 124.33,23.24 123.32,23.24 123.32,21.97 107.44,21.97 105.54,20.07 105.54,16.38 104.65,15.49 103.63,15.49 103.12,14.99 103.12,10.54 103.63,10.54 105.16,12.07 112.27,12.07 113.28,11.05 113.28,2.41
GND on Bottom: 42.8,51.69 43.43,52.32 45.34,52.32 45.85,51.82 45.85,44.96 45.21,44.96 45.21,35.69 43.94,34.54 43.31,34.54 42.8,35.18
GND on Bottom: 118.87,63.12 120.14,61.85 120.14,57.4 119.63,56.9 118.24,56.9 117.73,56.39 117.73,53.59 118.24,53.09 120.52,53.09 120.52,48.64 119.51,48.64 116.08,52.07 113.54,52.07 113.16,52.45 113.16,60.33 115.95,63.12
GND on Bottom: 25.65,81.03 24.26,81.03 24,81.28 24,83.44 22.61,84.84 16.89,84.84 16.26,84.2 16.26,80.65 13.59,80.65 12.32,81.92 11.81,81.92 11.81,76.45 14.1,76.45 14.1,77.47 14.6,77.98 16,77.98 17.02,78.99 17.53,78.99 18.16,78.36 18.16,72.14 17.53,71.5 17.53,67.31 17.65,67.18 19.69,67.18 20.7,68.2 20.7,76.33 19.18,77.85 19.18,79.76 18.29,80.65 18.29,83.44 18.54,83.69 22.23,83.69 22.35,83.57 22.35,80.26 22.99,79.63 25.65,79.63
GND on Bottom: 27.56,49.15 30.73,49.15 31.88,50.29 34.29,50.29 35.69,51.69 37.59,51.69 37.85,51.44 37.85,50.04 37.21,49.4 37.21,42.8 37.85,42.16 37.85,38.74 36.32,38.74 36.32,37.97 38.35,37.97 39.24,38.86 39.24,45.59 37.97,46.86 37.97,48.26 39.5,49.78 39.5,54.86 42.42,57.79 42.42,63.88 36.96,63.88 36.96,61.85 28.7,53.59 28.7,50.42 27.56,50.42
GND on Bottom: 34.42,18.92 34.42,23.62 37.59,26.8 40.01,26.8 40.77,26.04 40.77,24.51 40.51,24.26 38.23,24.26 37.59,23.62 37.59,23.11 38.61,22.1 38.61,20.07 37.46,18.92
GND on Bottom: 71.25,101.35 80.14,101.35 80.14,108.97 77.6,111.51 74.04,111.51 71.12,108.59 71.12,101.47
GND on Bottom: 8.51,9.65 10.29,9.65 10.29,12.83 9.4,12.83 8.51,11.94
GND on Bottom: 114.43,87.38 115.06,87.38 115.7,88.01 115.7,100.46 112.27,100.46 112.27,109.22 115.06,109.22 115.06,105.16 117.6,105.16 117.6,110.87 117.47,111 111.12,111 111,111.12 111,113.67 111.63,114.3 112.78,114.3 112.78,113.92 113.03,113.67 120.14,113.67 120.14,112.78 130.3,112.78 132.21,114.68 132.21,126.11 130.3,126.11 129.03,124.84 129.03,122.94 128.52,122.43 125.98,122.43 125.48,121.92 125.48,119.13 123.82,117.48 117.6,117.48 115.06,114.94 111.25,114.94 110.24,113.92 110.24,110.24 109.98,109.98 109.98,104.39 111.51,104.39 111.51,99.06 111.89,98.68 111.89,95.12 114.43,95.12
GND on Bottom: 63.25,84.46 73.41,84.46 73.41,87.63 68.58,90.42 68.07,90.42 63.25,87.38
GND on Bottom: 122.68,120.4 118.49,120.4 118.49,126.37 120.14,126.37 120.14,129.54 116.97,129.54 116.33,130.18 116.33,134.37 115.82,134.87 113.92,134.87 113.16,135.64 113.16,137.67 113.66,138.18 123.57,138.18 123.95,138.56 123.95,146.81 124.33,147.19 124.33,151.64 125.86,153.16 125.86,164.72 129.03,164.72 129.29,164.47 129.29,143.38 130.94,141.73 130.94,131.7 129.79,131.7 129.79,131.06 129.54,131.06 127.63,132.97 123.95,132.97 120.9,129.92 120.9,122.68 122.68,122.68
GND on Bottom: 73.41,154.31 77.6,158.5 77.6,161.04 77.34,161.29 75.95,161.29 75.56,160.91 75.56,159 73.41,156.85 70.48,156.85 70.48,158.37 70.74,158.62 72.52,158.62 73.28,159.39 73.28,162.18 74.42,162.18 74.42,167 70.99,167 69.98,168.02 69.98,168.66 70.23,168.91 72.52,168.91 72.52,170.43 74.17,170.43 74.17,171.83 74.42,172.09 76.07,172.09 76.07,175.9 78.87,175.9 79.76,175.01 79.76,171.07 82.55,171.07 82.8,171.32 82.8,176.28 84.33,177.8 93.09,177.8 96.01,180.72 96.01,189.23 100.2,193.42 100.2,197.61 99.95,197.87 95.88,197.87 95.63,197.61 95.63,191.52 95,190.88 62.74,190.88 62.74,198.37 62.61,198.5 54.86,198.5 54.74,198.37 54.74,192.15 55.76,191.13 57.15,179.45 58.55,179.45 58.55,185.42 61.72,185.42 61.72,184.79 64.64,184.79 64.64,184.28 95.25,184.28 95.25,181.23 92.84,178.82 72.39,178.82 71.5,177.93 71.5,175.39 68.58,172.47 68.07,172.47 68.07,170.94 67.56,170.43 67.56,168.28 68.83,168.28 70.48,166.62 70.48,164.85 71.75,164.85 71.75,162.18 72.39,162.18 72.39,159.51 72.26,159.39 67.82,159.39 67.82,154.31
GND on Bottom: 4.7,9.91 5.97,11.18 5.97,12.57 8.51,15.11 8.51,19.56 4.7,23.37 4.7,26.54 8.38,30.23 8.38,33.53 3.05,38.86 1.65,38.86 1.65,33.78 3.05,32.39 3.05,22.61 7.11,18.54 7.11,14.73 5.84,13.46 3.3,13.46 3.3,11.3
GND on Bottom: 103.12,111.51 107.82,111.51 107.82,113.79 106.81,114.81 107.31,115.32 108.46,114.17 108.46,111.38 108.33,111.25 108.33,110.49 106.81,108.97 106.68,108.97 106.43,108.71 106.43,106.81 104.27,106.81 104.27,103.89 106.17,103.89 106.17,98.17 102.87,98.17 102.36,98.68 102.36,110.74
GND on Bottom: 27.3,7.75 23.75,7.75 23.75,12.57 23.24,13.08 21.21,13.08 20.7,12.57 20.7,9.78 21.34,9.78 21.34,7.49 19.05,7.49 17.4,9.14 17.4,9.65 15.11,9.65 15.11,8.89 13.46,8.89 13.46,22.48 12.19,23.75 12.19,39.5 13.84,39.5 13.84,42.67 15.37,42.67 15.37,39.75 14.73,39.75 14.73,30.35 16.64,28.45 19.18,28.45 19.18,23.24 19.69,22.73 22.35,22.73 22.35,24.38 21.72,25.02 21.72,43.43 24.26,43.43 24.26,20.19 24.64,19.81 24.64,13.84 24.89,13.59 24.89,9.78 25.53,9.14 27.3,9.14
GND on Bottom: 8,100.33 8,97.92 8.76,97.16 13.08,97.16 13.21,97.28 13.21,99.31 17.27,99.31 17.27,97.41 21.97,97.41 22.1,97.28 22.1,100.97 21.84,101.22 19.81,101.22 19.81,105.03 18.03,105.03 18.03,102.74 18.8,101.98 18.8,100.08 17.4,100.08 16.76,100.71 13.08,100.71 12.19,99.82 12.19,98.17 9.78,98.17 9.78,100.33
GND on Bottom: 86.61,122.3 91.31,122.3 91.31,117.6 93.98,117.6 93.98,118.11 97.54,118.11 97.54,112.78 94.11,112.78 93.98,112.9 93.98,116.21 91.57,116.21 91.44,116.08 91.44,108.84 89.66,107.06 88.26,107.06 85.85,109.47 85.85,121.54
GND on Bottom: 27.18,127 29.72,127 29.72,122.56 31.62,122.56 31.88,122.3 31.88,120.9 31.24,120.27 31.24,118.75 28.07,118.75 28.07,125.73 27.18,125.73
VAA on Bottom: 117.98,154.56 117.98,152.27 112.27,152.27 110.74,153.8 110.74,154.43 110.87,154.56
VAA on Bottom: 129.03,127 129.03,128.65 128.14,129.54 124.84,129.54 123.57,128.27 123.57,127.38 121.54,125.35 121.54,123.57 122.3,123.57 122.3,125.35 123.95,127
Net-(J3-Pin_1) on Bottom: 117.09,19.81 122.43,19.81 134.24,8 134.24,3.94 130.56,3.94 130.56,6.6 119.76,17.4 116.97,17.4 116.97,19.69

## Text on the board
Bottom: 34 | 2 | J3 | J4 | J2 | J7 | EC | LSI  FA CONTROL | SEAGATE TECHNOLOGY | 251- | ASSY 20938 | J1 | J6 | J5 | 5 | 6 | 4 | 3 | 1 | 8 | + | ASSEMBLED IN SINGAPORE
User.Drawings: ADD BODGE WIRE FOR 12V / TO SPINDLE DRIVER | This work is licensed under a Creative Commons / Attribution-ShareAlike 4.0 International License. / See https://creativecommons.org/licenses/by-sa/4.0/. | ASSY 20938 / Reverse Engineered by Tube Time | ST-251 LSI FA CONTROL
Top: J1 | 19 | J2 | 1 | J7 | J6 | J3 | J5 | + | FAB 20938-300 | EC 4193
